# Altium PCB 控制板.PcbDoc (part 5 of 12)
Units mil, origin at the board's own origin, x right, y up, seen from the top; angles counter-clockwise.
Board outline 8150.4 x 2246.9 mil, 6 copper layers (TopLayer, MidLayer1, MidLayer2, MidLayer3, MidLayer4, BottomLayer); 1570 components, 853 nets, 4888 pads, 1859 vias.
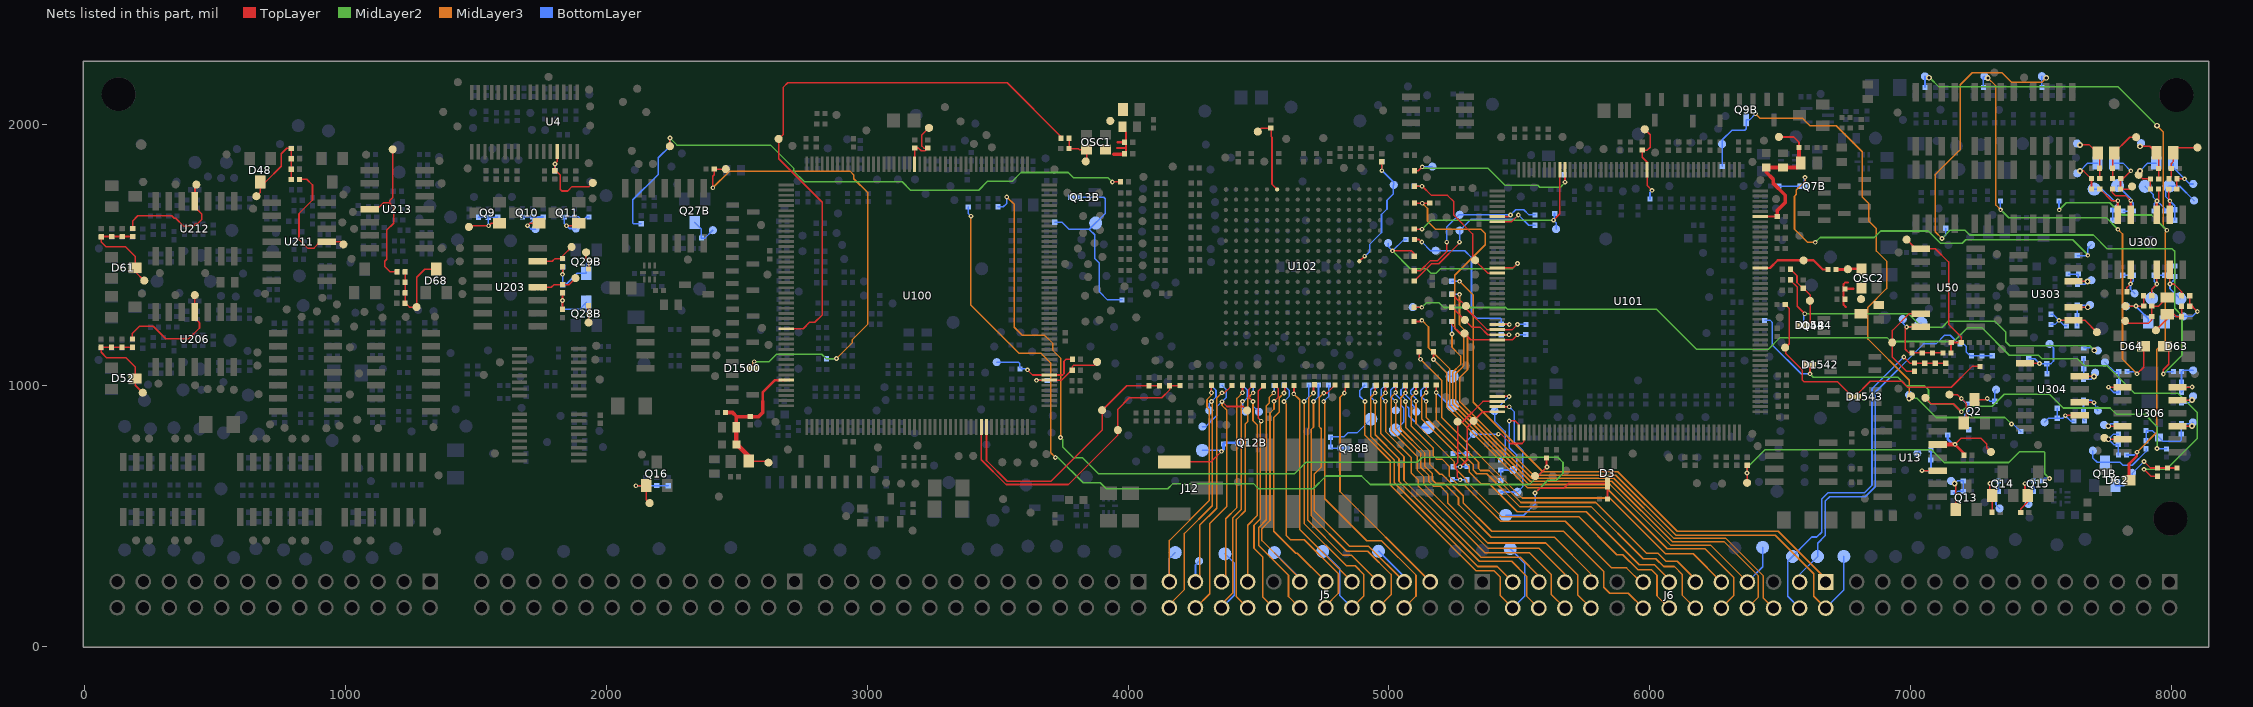
[diagram p9: the nets of this part, all layers, seen from the top]

## Via types
v1: diameter 18, hole 8, TopLayer to BottomLayer, tented both sides, 1737 vias
v2: diameter 20, hole 12, TopLayer to BottomLayer, tented both sides, 71 vias
v3: diameter 22, hole 12, TopLayer to BottomLayer, tented both sides, 51 vias

## Nets (pads, with @x,y where several pads share a name; then routed paths per layer and width w, separated by ;. In a path a pad name is that pad's centre, name@x,y a point inside that pad or via, vN(x,y) a via of type N, cw(c..) or ccw(c..) an arc to the next point about the centre after c; other vN are vias at no path point) (continued)
NetJ5_5: J5.5 R92.1 | length 907.7
  TopLayer w6: v1(4829.2,971.5) 4833,975.3 4833,993.8 R92.1@4839.9,1000.7
  MidLayer3 w6: v1(4829.2,971.5) 4812.8,955.1 4812.8,593.3 J5.5@5158.6,247.5
NetJ5_7: J5.7 R93.1 TP9.1 | length 1145.2
  TopLayer w6: v1(4750.7,971.5) 4762.8,971.5 R93.1@4793.6,1002.3
  MidLayer3 w6: v1(4750.7,971.5) 4732.4,953.2 4732.4,842.9 4741.3,834 4741.3,687.3 4714.4,660.4 4714.4,519.3 4849.5,384.2 4921.9,384.2 J5.7@5058.6,247.5
  BottomLayer w6: TP9.1@4960.3,364.6 4960.9,364.6 5058.6,266.9 J5.7@5058.6,247.5
NetJ5_8: J5.8 R445.1 | length 1061.2
  MidLayer3 w6: v1(4749.9,938.8) 4754,934.7 4754,566.1 4914.8,405.3 4972.1,405.3 5104,273.4 5104,192.9 J5.8@5058.6,147.5
  BottomLayer w6: v1(4749.9,938.8) 4769,957.9 R445.1@4769,1001.7
NetJ5_9: J5.9 R95.1 | length 897.3
  TopLayer w6: v1(4711.1,971.5) 4711.1,998.8 R95.1@4715.3,1003
  MidLayer3 w6: v1(4711.1,971.5) 4693.6,954 4693.6,837.9 4689,833.3 4689,484.3 4824.5,348.8 4857.3,348.8 J5.9@4958.6,247.5
NetJ5_10: J5.10 R446.1 | length 1061.9
  MidLayer3 w6: v1(4711.1,938.8) 4711.1,840.4 4701.9,831.2 4701.9,501.3 4838.6,364.6 4919.5,364.6 5008.6,275.5 5008.6,197.5 J5.10@4958.6,147.5
  BottomLayer w6: v1(4711.1,938.8) 4730.3,958 R446.1@4730.3,1002.5
NetJ5_11: J5.11 R97.1 | length 845.7
  TopLayer w6: v1(4635.5,968) 4636.3,968.8 R97.1@4636.3,1000.5
  MidLayer3 w6: v1(4635.5,968) 4658.2,945.3 4658.2,447.9 J5.11@4858.6,247.5
NetJ5_12: J5.12 R447.1 TP13.1 | length 1258.9
  MidLayer3 w6: v1(4674.9,938.8) 4674.9,471.2 4837.3,308.8 4870.7,308.8 4904,275.5 4904,192.9 J5.12@4858.6,147.5
  BottomLayer w6: v1(4674.9,938.8) 4693.6,957.5 R447.1@4693.6,1002.5 ; TP13.1@4746.1,363.8 4812.4,297.5 4812.4,194.5 4858.6,148.3 J5.12@4858.6,147.5
NetJ5_13: J5.13 R98.1 | length 856.8
  TopLayer w6: v1(4598,971.7) 4600.3,974 R98.1@4600.3,1000.9
  MidLayer3 w6: v1(4598,971.7) 4579.9,953.6 4579.9,898.5 4559,877.6 4559,440.9 4642.8,357.1 4649,357.1 J5.13@4758.6,247.5
NetJ5_14: J5.14 R448.1 | length 1006.7
  MidLayer3 w6: v1(4598,939) 4606.1,930.9 4606.1,425.9 4622.8,409.2 4675.7,409.2 4806.9,278 4806.9,204.2 4758.6,155.9 J5.14@4758.6,147.5
  BottomLayer w6: v1(4598,939) 4617.4,958.4 4617.4,982.1 R448.1@4598.6,1000.9
NetJ5_15: J5.15 R99.1 TP10.1 | length 996.7
  TopLayer w6: v1(4559.6,939.4) 4576.5,956.3 4576.5,988 R99.1@4564.2,1000.3
  MidLayer3 w6: v1(4559.6,939.4) 4559.6,910 4544.4,894.8 4544.4,482.1 4513.4,451.1 4513.4,405.7 4658.6,260.5 J5.15@4658.6,247.5
  BottomLayer w6: TP10.1@4561.1,359.6 4658.6,262.1 J5.15@4658.6,247.5
NetJ5_16: J5.16 R449.1 | length 941.4
  MidLayer3 w6: v1(4558.8,972.1) 4540.7,954 4540.7,932.1 4530.3,921.7 4530.3,485.5 4501.9,457.1 4501.9,385.9 4615.3,272.5 4615.3,190.8 J5.16@4658.6,147.5
  BottomLayer w6: v1(4558.8,972.1) 4559.9,973.2 R449.1@4559.9,1000
NetJ5_18: J5.18 R100.1 | length 907.4
  TopLayer w6: v1(4510.9,863.6) 4500.1,874.4 4500.1,980.5 R100.1@4519.2,999.6
  MidLayer3 w6: v1(4510.9,863.6) 4507.4,860.1 4507.4,488.6 4483,464.2 4483,376.5 4515.7,343.8 4515.7,190.4 J5.18@4558.6,147.5
NetJ5_19: J5.19 pad.246@4501.7,899.4 R101.1 | length 837
  TopLayer w6: R101.1@4479,1000.7 4462.8,984.5 4462.8,955.2 v1(4479.2,938.8)
  MidLayer3 w6: J5.19@4458.6,247.5 4458.6,464.6 4494.9,500.9 4494.9,849.6 4479.2,865.3 v1(4479.2,938.8)
  BottomLayer w6: v1(4479.2,938.8) 4479.2,921.9 pad.246@4501.7,899.4
NetJ5_20: J5.20 R459.2 | length 896.9
  MidLayer3 w6: J5.20@4458.6,147.5 4415.7,190.4 4415.7,486.3 4449.4,520 4449.4,852.5 4459,862.1 4459,951.3 v1(4479.6,971.9)
  BottomLayer w6: R459.2@4479.4,1000.1 4479.4,972.1 v1(4479.6,971.9)
NetJ5_21: J5.21 R102.1 | length 786.6
  TopLayer w6: R102.1@4438.8,1000.7 4438.8,972.5 v1(4439,972.3)
  MidLayer3 w6: J5.21@4358.6,247.5 4374.4,263.3 4374.4,489.1 4417.4,532.1 4417.4,950.7 v1(4439,972.3)
NetJ5_22: J5.22 pad.245@4451.9,900 R460.2 TP7.1 | length 1188.2
  MidLayer3 w6: J5.22@4358.6,147.5 4358.6,161.3 4401.5,204.2 4401.5,492.5 4434.9,525.9 4434.9,935.3 v1(4438.8,939.2)
  BottomLayer w6: J5.22@4358.6,147.5 4406.9,195.8 4406.9,319.6 4371.9,354.6 TP7.1@4371.1,354.6 ; R460.2@4439.4,1000.5 4457.8,982.1 4457.8,954.2 4439.4,935.8 4439.4,912.5 pad.245@4451.9,900
NetJ5_23: J5.23 pad.304@4272.4,326.7 R103.1 | length 901.6
  TopLayer w6: v1(4360.1,972.1) 4370,972.1 R103.1@4398.4,1000.5
  MidLayer3 w6: J5.23@4258.6,247.5 4275.3,264.2 4275.3,465.1 4339.9,529.7 4339.9,951.9 v1(4360.1,972.1)
  BottomLayer w6: J5.23@4258.6,247.5 4258.6,312.1 4272.4,325.9 pad.304@4272.4,326.7
NetJ5_24: J5.24 pad.187@4456.5,904.6 pad.243@4285.1,842.5 R462.2 | length 1169.4
  TopLayer w6: v1(4360.3,938.4) 4379.1,919.6 4441.5,919.6 pad.187@4456.5,904.6
  MidLayer3 w6: J5.24@4258.6,147.5 4313,201.9 4313,470.7 4379.2,536.9 4379.2,904.9 4360.3,923.8 v1(4360.3,938.4)
  BottomLayer w6: pad.243@4285.1,842.5 4297.7,842.5 4339.4,884.2 4339.4,917.5 4377.4,955.5 4377.4,983.8 R462.2@4360.7,1000.5
NetJ5_25: J5.25 R105.1 TP5.1 | length 948.3
  TopLayer w6: v1(4319.9,972.3) R105.1@4319.9,1000.7
  MidLayer3 w6: J5.25@4158.6,247.5 4158.6,406.3 4311.1,558.8 4311.1,908.4 4302.8,916.7 4302.8,946.3 4319.9,963.4 v1(4319.9,972.3)
  BottomLayer w6: J5.25@4158.6,247.5 4158.6,337.1 TP5.1@4181.1,359.6
NetJ5_26: J5.26 pad.241@4311.5,904.6 R463.2 | length 975
  MidLayer3 w6: J5.26@4158.6,147.5 4158.6,160.8 4216.1,218.3 4216.1,432.7 4322.8,539.4 4322.8,936.5 v1(4320.3,939)
  BottomLayer w6: pad.241@4311.5,904.6 4311.5,930.2 4337.4,956.1 4337.4,981.7 R463.2@4318.6,1000.5
NetJ6_1: J6.1 R433.2 | length 2159.8
  MidLayer3 w6: v1(5271.1,1399.6) 5323.6,1347.1 5323.6,936.3 5590.3,669.6 5877.8,669.6 6106.1,441.3 6492.7,441.3 6674.9,259.1 J6.1@6674.9,246.7
  BottomLayer w6: R433.2@5240.6,1399.6 v1(5271.1,1399.6)
NetJ6_2: J6.2 R432.2 TP40.1 | length 2473.7
  MidLayer3 w6: v1(5270.9,1349.6) 5270.9,1232.3 5301.5,1201.7 5301.5,1060.8 5272.6,1031.9 5272.6,937.9 5554.2,656.3 5870.3,656.3 6100.7,425.9 6481.5,425.9 6629.4,278 6629.4,192.2 J6.2@6674.9,146.7
  BottomLayer w6: R432.2@5241.1,1350 5270.5,1350 v1(5270.9,1349.6) ; J6.2@6674.9,146.7 6744.4,216.2 TP40.1@6744.4,345
NetJ6_3: C144.1 J6.3 R309.1 R310.1 R311.1 TP1120.1 | length 1511
  BottomLayer w6: J6.3@6574.9,246.7 6574.9,275.1 6644,344.2 6644,395.5 6673.6,425.1 6673.6,557.1 6690.3,573.8 6826.1,573.8 6864.4,612.1 6864.4,974.2 7049.8,1159.6 7097.4,1159.6 7130.3,1192.5 7152.4,1192.5 7186.1,1158.8 7204.5,1158.8 7214,1149.3 7214,1128.4 7228.6,1113.8 R309.1@7313.2,1113.8
NetJ6_4: C9.2 J6.4 R41.1 R42.1 R43.1 TP1121.1 | length 1429.9
  TopLayer w6: v1(6974.4,1109.6) 6998.5,1085.5 R41.1@7134.9,1085.5
  BottomLayer w6: J6.4@6574.9,146.7 6529,192.6 6529,326.3 6621.9,419.2 6640.7,419.2 6659.4,437.9 6659.4,564.6 6684.4,589.6 6824.4,589.6 6852.4,617.6 6852.4,987.6 v1(6974.4,1109.6)
NetJ6_6: J6.6 R64.2 R67.1 | length 2694.7
  TopLayer w6: R67.1@5097.8,1699.6 R64.2@5156.4,1699.6
  MidLayer3 w6: v1(5128,1699) 5148.2,1678.8 5148.2,1630 5178.6,1599.6 5353.3,1599.6 5369.9,1583 5369.9,1540 5252.4,1422.5 5252.4,1219.1 5287.8,1183.7 5287.8,1075.9 5256.9,1045 5256.9,936.1 5548,645 5862.4,645 6093.6,413.8 6292.4,413.8 6434.9,271.3 6434.9,186.7 J6.6@6474.9,146.7
NetJ6_7: J6.7 R75.2 TP31.1 | length 1981.3
  TopLayer w6: R75.2@5096.9,1245.5 5122.2,1245.5 v1(5126.7,1250)
  MidLayer3 w6: v1(5126.7,1250) 5151.9,1224.8 5151.9,1145.1 5234,1063 5234,922.8 5536.3,620.5 5848.2,620.5 6080.3,388.4 6233.2,388.4 J6.7@6374.9,246.7
  BottomLayer w6: J6.7@6374.9,246.7 6433.2,305 TP31.1@6433.2,379.6
NetJ6_8: J6.8 R431.2 | length 1926.3
  MidLayer3 w6: v1(5242.1,1197.8) 5242.1,1146.4 5275.1,1113.4 5275.1,1080.7 5245.3,1050.9 5245.3,929.8 5542.1,633 5854.8,633 6086.1,401.7 6285.3,401.7 6415.7,271.3 6415.7,187.5 J6.8@6374.9,146.7
  BottomLayer w6: R431.2@5241.1,1245 5241.1,1198.8 v1(5242.1,1197.8)
NetJ6_9: J6.9 R81.2 | length 1621.6
  TopLayer w6: R81.2@5115.9,1129.3 5115.9,1105.9 v1(5121.1,1100.7)
  MidLayer3 w6: v1(5121.1,1100.7) 5202.4,1019.4 5202.4,877.1 5510.7,568.8 5846.9,568.8 6060.7,355 6166.6,355 J6.9@6274.9,246.7
NetJ6_10: J6.10 R80.2 TP41.1 | length 1839.9
  TopLayer w6: v1(5171.1,1099.8) R80.2@5171.1,1129.9
  MidLayer3 w6: v1(5171.1,1099.8) 5221.5,1049.4 5221.5,918.4 5531.9,608 5833.6,608 6067.4,374.2 6212.4,374.2 6322.8,263.8 6322.8,194.6 J6.10@6274.9,146.7
  BottomLayer w6: v1(5171.1,1099.8) 5235.9,1035 TP41.1@5242.4,1035
NetJ6_11: J6.11 R83.1 TP34.1 | length 1487.5
  TopLayer w6: v1(5181.7,973.2) R83.1@5181.7,1001.7
  MidLayer3 w6: v1(5181.7,973.2) 5181.7,868.2 5343.6,706.3 5343.6,682.1 5351.5,674.2 5384,674.2 5506.7,551.5 5793,551.5 5987.4,357.1 6032.1,357.1 6062.5,326.7 6105.5,326.7 6174.9,257.3 J6.11@6174.9,246.7
  BottomLayer w6: v1(5181.7,973.2) 5230.7,924.2 TP34.1@5244.4,924.2
NetJ6_12: J6.12 R435.1 | length 1532.8
  MidLayer3 w6: v1(5143.2,939.4) 5143.2,877.1 5324.4,695.9 5324.4,675.1 5337.4,662.1 5374.9,662.1 5502.4,534.6 5776.6,534.6 5974.9,336.3 6023.6,336.3 6053.6,306.3 6094.8,306.3 6124.4,276.7 6124.4,197.2 J6.12@6174.9,146.7
  BottomLayer w6: R435.1@5141.9,1000.9 5123.2,982.2 5123.2,959.4 v1(5143.2,939.4)
NetJ6_13: J6.13 R84.1 | length 1361.8
  TopLayer w6: R84.1@5143,1001.7 5143.2,1001.5 v1(5143.2,973)
  MidLayer3 w6: v1(5143.2,973) 5126.9,956.7 5126.9,870.9 5308.6,689.2 5308.6,668.6 5353.6,623.6 5384.7,623.6 5492,516.3 5756.5,516.3 5959.8,313 6018.1,313 6074.9,256.2 J6.13@6074.9,246.7
NetJ6_14: J6.14 R436.1 | length 1491
  MidLayer3 w6: v1(5104.2,939.6) 5104.2,854 5251.5,706.7 5251.5,685.1 5297.8,638.8 5297.8,631.7 5432,497.5 5727.8,497.5 5873.6,351.7 5897,351.7 5954.9,293.8 6007.4,293.8 6028.2,273 6028.2,193.4 J6.14@6074.9,146.7
  BottomLayer w6: R436.1@5104,1000.9 5083.6,980.5 5083.6,969.5 5104.2,948.9 v1(5104.2,939.6)
NetJ6_15: J6.15 R85.1 | length 1340.3
  TopLayer w6: v1(5104,973) 5104,1001.3 R85.1@5104.2,1001.5
  MidLayer3 w6: v1(5104,973) 5086.1,955.1 5086.1,844.6 5169.4,761.3 5169.4,731.4 5182.8,718 5203.5,718 5232.4,689.1 5232.4,651.7 5265.7,618.4 5289,618.4 5428,479.4 5675.9,479.4 5854.4,300.9 5911.5,300.9 5965.7,246.7 J6.15@5974.9,246.7
NetJ6_16: J6.16 R437.1 TP43.1 | length 1604.3
  MidLayer3 w6: v1(5064.2,938.8) 5064.2,840.3 5157.4,747.1 5157.4,697.7 5195.5,659.6 5203.8,659.6 5285.5,577.9 5285.5,550 5394.2,441.3 5669.5,441.3 5824,286.8 5824,226.7 5846.9,203.8 5917.8,203.8 J6.16@5974.9,146.7
  BottomLayer w6: R437.1@5063.2,999.6 5046.7,983.1 5046.7,963.8 5064.2,946.3 5064.2,925.1 5076.1,913.2 5076.1,884.1 5121,839.2 TP43.1@5150.3,839.2
NetJ6_19: J6.19 pad.249@5105.3,899.2 R86.1 | length 1314.3
  TopLayer w6: R86.1@5063.8,1000.9 5064,1000.7 v1(5064,972.1)
  MidLayer3 w6: v1(5064,972.1) 5045.5,953.6 5045.5,834.4 5138.2,741.7 5138.2,690.7 5166.5,662.4 5166.5,638.6 5179.4,625.7 5211.1,625.7 5267.1,569.7 5267.1,543.9 5393,418 5634.8,418 5774.9,277.9 J6.19@5774.9,246.7
  BottomLayer w6: v1(5064,972.1) 5064,964.2 5087.8,940.4 5087.8,928 5105.3,910.5 pad.249@5105.3,899.2
NetJ6_20: J6.20 pad.248@5026.5,905 R438.1 | length 1360
  MidLayer3 w6: v1(5026.1,939.6) 5026.1,835.4 5122.4,739.1 5122.4,686.3 5153.6,655.1 5153.6,631.3 5171.5,613.4 5197.7,613.4 5226.5,584.6 5226.5,548.8 5379,396.3 5601.5,396.3 5723.6,274.2 5723.6,198 J6.20@5774.9,146.7
  BottomLayer w6: R438.1@5025.7,1000.9 5007.6,982.8 5007.6,957.3 5026.5,938.4 pad.248@5026.5,905
NetJ6_21: J6.21 R87.1 TP39.1 | length 1322.6
  TopLayer w6: R87.1@5025.7,1001.7 5026.1,1001.3 v1(5026.1,973)
  MidLayer3 w6: v1(5026.1,973) 5008.6,955.5 5008.6,828.4 5108.2,728.8 5108.2,675.9 5134.4,649.7 5134.4,620.9 5378.6,376.7 5574.8,376.7 5674.9,276.6 J6.21@5674.9,246.7
  BottomLayer w6: TP39.1@5025.7,829.4 5056.9,860.6 5056.9,914.2 5046.3,924.8 5046.3,945.3 5026.1,965.5 v1(5026.1,973)
NetJ6_22: J6.22 R439.1 | length 1253.7
  MidLayer3 w6: v1(4987.4,939.8) 4987.4,823.4 5085.3,725.5 5085.3,665.4 5112.8,637.9 5112.8,614.6 5368.2,359.2 5539.5,359.2 5622.8,275.9 5622.8,198.8 J6.22@5674.9,146.7
  BottomLayer w6: R439.1@4986.9,1001.3 4970.3,984.7 4970.3,956.9 v1(4987.4,939.8)
NetJ6_23: J6.23 R88.1 | length 1103.2
  TopLayer w6: v1(4987.1,972.5) 4987.1,999.3 R88.1@4989.9,1002.1
  MidLayer3 w6: v1(4987.1,972.5) 4969,954.4 4969,816.3 5058.2,727.1 5058.2,636.1 5353,341.3 5503.6,341.3 5574.9,270 J6.23@5574.9,246.7
NetJ6_24: J6.24 R440.1 | length 1199.7
  MidLayer3 w6: v1(4947.4,938.4) 4947.4,811.3 5039,719.7 5039,633.4 5346.5,325.9 5471.5,325.9 5528.2,269.2 5528.2,193.4 J6.24@5574.9,146.7
  BottomLayer w6: R440.1@4946.9,999.6 4930.7,983.4 4930.7,955.1 v1(4947.4,938.4)
NetJ6_25: J6.25 R89.1 | length 1032
  TopLayer w6: v1(4947.4,972.1) 4947.4,996.2 R89.1@4951.9,1000.7
  MidLayer3 w6: v1(4947.4,972.1) 4930.3,955 4930.3,804.6 5020.3,714.6 5020.3,627.1 5341.1,306.3 5415.3,306.3 J6.25@5474.9,246.7
NetJ6_26: J6.26 R441.1 TP42.1 | length 1416
  MidLayer3 w6: v1(4908.2,938.8) 4908.2,809.2 5005.5,711.9 5005.5,618.2 5333.9,289.8 5403,289.8 5427.8,265 5427.8,193.8 J6.26@5474.9,146.7
  BottomLayer w6: R441.1@4907.8,1000.9 4888.2,981.3 4888.2,958.8 v1(4908.2,938.8) ; TP42.1@5465.3,374.6 5521.1,318.8 5521.1,193 5474.9,146.8 J6.26@5474.9,146.7
NetJ12_3: J12.3 Q12B.3 R458.2 TP53.1 | length 374.4
  TopLayer w6: J12.3@4176.9,707.6 4318.3,707.6 v1(4358.2,747.5)
  BottomLayer w6: TP53.1@4284.9,751.7 4354,751.7 v1(4358.2,747.5)
  BottomLayer w10: v1@4357.8,747.9 4366.1,756.2 R458.2@4366.1,776.3 4369.85,780.05 Q12B.3@4434.2,780.05
NetLB1_1: C40.1 C41.2 C42.2 LB1.1 OSC1.4 pad.0@3931.9,2014.6 | length 187.6
  TopLayer w6: 3956.3,1910.7 3992.8,1910.7
  TopLayer w8: C42.2@3985.1,1886.9 3992.8,1894.6 3992.8,1969.6
  TopLayer w10: 3961.6,1933 C41.2@3986.6,1933
  TopLayer w14: 3944.9,1886.9 C42.2@3985.1,1886.9
NetLB2_2: C51.2 C52.1 C53.2 C54.2 LB2.2 pad.91@2621.5,704.2 U100.39 | length 610.8
  TopLayer w6: LB2.2@2545.7,709.8 2615.9,709.8 pad.91@2621.5,704.2
  TopLayer w10: 2599,939 2599,972.5 2647.27,1020.77 U100.39@2689,1020.77
  TopLayer w14: C52.1@2457.1,896.9 2483.8,896.9 2499.9,880.8 ; C53.2@2497.8,839.6 2497.8,878.7 2499.9,880.8 ; 2599,939 2599,896.7 2583.1,880.8 2499.9,880.8
  TopLayer w18: C53.2@2497.8,839.6 2497.8,776.7 2545.7,728.8 LB2.2@2545.7,709.8
NetLB4_1: C16.2 C17.1 C18.1 C20.1 LB4.1 pad.277@6495.3,1953 U101.39 | length 601.5
  TopLayer w6: pad.277@6495.3,1953 6552.3,1953 6572.6,1932.7 C16.2@6572.6,1913
  TopLayer w8: U101.39@6424,1647.63 6489.03,1647.63 C20.1@6489.4,1648
  TopLayer w14: C20.1@6489.4,1648 6489.4,1671 6520.3,1701.9 6520.3,1729.4 6473.2,1776.5 6473.2,1791.5 6446.9,1817.8 C18.1@6446.9,1835.9 6447.1,1835.7 6566.3,1835.7 6572.6,1842 C16.2@6572.6,1913
NetLB6_2: C23.2 C24.2 C25.2 LB6.2 OSC2.4 pad.1@6810.3,1331.3 | length 143.1
  TopLayer w8: 6752.8,1300.5 6743.6,1309.7 6743.6,1388.7 6750.4,1395.5 6760.6,1395.5
  TopLayer w10: C23.2@6749.4,1370.5 6780.7,1370.5
NetNC11_2: D3.3 NC11.2 R59.2 TP26.1 | length 3863.2
  TopLayer w6: v1(5560.5,588.2) 5578.6,606.3 5670.5,606.3 5689.7,625.5 5837.85,625.5 5838.3,625.05 R59.2@5838.3,565
  MidLayer2 w6: v1(3741.3,801.1) 3749.9,792.5 3749.9,764.1 3791,723 3825.6,723 3886.9,661.7 4638.6,661.7 4682.8,705.9 5109.1,705.9 5128.2,725 5647.8,725 5667.8,705 5667.8,663.4 5641.5,637.1 5609.4,637.1 v1(5560.5,588.2)
  MidLayer3 w6: v1(3535.1,1723.2) 3563.6,1694.7 3563.6,1223.8 3594.4,1193 3679.8,1193 3711.9,1160.9 3711.9,1134.8 3741.3,1105.4 v1(3741.3,801.1)
  BottomLayer w6: NC11.2@3501.5,1685.1 3522,1685.1 3535.1,1698.2 v1(3535.1,1723.2) ; TP26.1@5448.2,502.5 5517.3,502.5 5560.5,545.7 v1(5560.5,588.2)
NetNC18_1: NC18.1 NC25.2 pad.264@5324.9,814.6 U101.134 | length 383.8
  TopLayer w6: v1(5419.9,813.8) 5430.3,813.8 5466.3,777.8 5510.6,777.8 5517.83,785.03 U101.134@5517.83,819.9
  BottomLayer w6: NC18.1@5246.1,739.6 5298.7,739.6 5298.2,740.1 5298.2,787.1 5324.9,813.8 v1(5419.9,813.8)
NetNC19_1: NC19.1 NC24.2 pad.242@5325.3,864.6 U101.132 | length 355.6
  TopLayer w6: v1(5273.4,688.6) 5300.5,715.7 5300.5,839.8 5360.3,899.6 U101.132@5415.2,899.6
  BottomLayer w6: NC19.1@5245.7,688.8 5298.3,688.8 NC24.2@5299.1,689.6
NetNC20_1: NC20.1 NC23.2 pad.241@5263.6,861.3 U101.130 | length 471.9
  TopLayer w6: v1(5273.2,638.6) 5262.6,649.2 5262.6,675.6 5256.3,681.9 5256.3,697 5264,704.7 5264,860.9 pad.241@5263.6,861.3 5283.2,861.3 5360.87,938.97 U101.130@5415.2,938.97
  BottomLayer w6: NC20.1@5244.4,639.6 5298.3,639.6 NC23.2@5299.1,638.8
NetNC27_1: NC27.1 pad.251@5405.3,901.7 U101.129 | length 336.6
  TopLayer w6: U101.129@5415.2,958.66 5460.64,958.66 v1(5461.1,958.2)
  BottomLayer w6: NC27.1@5427.8,715 5445.7,732.9 5445.7,823.8 5405.3,864.2 5405.3,902.4 v1(5461.1,958.2)
NetNC29_1: NC28.1 NC29.1 pad.263@5476.5,676.1 U101.133 | length 366.1
  TopLayer w6: v1(5461.7,864.2) 5484.7,864.2 5498.15,850.75 U101.133@5498.15,819.9
  BottomLayer w6: NC29.1@5429.4,635.9 5429.4,675.5 5430,676.1 5478.2,676.1 5489.9,687.8 5489.9,733.7 5461.9,761.7 5461.9,864 v1(5461.7,864.2)
NetNC30_1: NC30.1 pad.265@5493,592.8 U101.131 | length 468.4
  TopLayer w6: U101.131@5415.2,919.29 5461.21,919.29 v1(5461.7,918.8)
  BottomLayer w6: NC30.1@5428.6,591.7 5492.8,591.7 5514,612.9 5514,751.3 5480.3,785 5480.3,900.2 v1(5461.7,918.8)
NetNC43_1: NC43.1 NC61.1 pad.288@7308.6,745.5 U13.5 | length 350.9
  TopLayer w6: v1(7170.3,774.6) 7192.8,797.1 7271.6,797.1 7292.4,776.3 7292.4,761.7 pad.288@7308.6,745.5
  TopLayer w10: v1(7170.3,774.6) 7170.3,773.4 7204.9,738.8 NC61.1@7204.9,732.5
  TopLayer w14: U13.5@7104.4,773.93 7169.63,773.93 v1(7170.3,774.6)
  BottomLayer w10: NC43.1@7142.8,810 7142.8,795.3 7163.5,774.6 v1(7170.3,774.6)
NetNC44_2: NC44.2 NC45.2 NC46.2 pad.376 U13.3 | length 232.4
  TopLayer w6: v1(7044.4,673.8) 7044.67,674.07 U13.3@7104.4,674.07
  BottomLayer w6: pad.376@7026.1,739.6 7040.3,753.8 NC44.2@7078.2,753.8 7078.7,753.3 NC46.2@7078.7,674.2 7078.3,673.8 v1(7044.4,673.8)
NetOSC1_3: OSC1.3 pad.145@3837.8,1859.2 R158.2 R159.2 | length 155.6
  TopLayer w6: R158.2@3774,1948.4 3774,1909.2 3775.2,1908 3809.4,1908 3812.8,1904.6 OSC1.3@3840.8,1904.6 3842.1,1903.3 3842.1,1863.5 pad.145@3837.8,1859.2
NetOSC2_3: OSC2.3 pad.271@6759.9,1445.9 R22.2 | length 98.5
  TopLayer w10: R22.2@6714.8,1445 6759,1445 6761.4,1447.4 OSC2.3@6812.3,1447.4
NetQ1B_1: C68.1 pad.348 Q1B.1 R19.1 R20.1 | length 294.1
  TopLayer w6: v1(7895.3,708.8) 7920.3,683.8 C68.1@8021.5,683.8
  BottomLayer w6: Q1B.1@7786.1,616.3 7819.9,616.3 7849.4,645.8 7849.4,662.9 v1(7895.3,708.8)
NetQ2_1: C142.1 pad.287@7149.4,965 Q2.1 R302.2 R303.2 | length 306.6
  TopLayer w6: pad.287@7149.4,965 7180.4,965 7214.4,931 7214.4,865.8 Q2.1@7204.9,856.3
  BottomLayer w6: v1(7194.9,950) 7215.3,929.6 R303.2@7223.2,929.6 7223.2,903.4 7207.8,888 7207.8,846.2 R302.2@7223.6,830.4
NetQ2_3: pad.353 Q2.3 R301.1 | length 130.5
  TopLayer w6: Q2.3@7245.3,946.3 7290.7,946.3 v1(7294.4,950)
  BottomLayer w6: v1(7294.4,950) 7304.4,940 7323.6,940 7323.6,980 pad.353@7328.2,984.6
NetQ9_1: C388.2 pad.75@1472.8,1608 Q9.1 R625.1 R626.1 | length 231.5
  TopLayer w6: pad.75@1472.8,1608 1477.6,1612.8 1548.9,1612.8 1558.6,1622.5 Q9.1@1590.7,1622.5
  BottomLayer w6: R626.1@1509.4,1645.5 1582.4,1645.5 C388.2@1583.2,1646.3 ; R625.1@1547.4,1645.5 1547.4,1613.7 v1(1548.6,1612.5)
NetQ10_1: C387.2 pad.28@1728.2,1600 Q10.1 R622.1 R623.1 | length 206.4
  TopLayer w6: v1(1697.8,1613) 1707.3,1622.5 Q10.1@1742.4,1622.5
  BottomLayer w6: R623.1@1678.6,1646.3 R622.1@1758.2,1646.3 ; C387.2@1717.8,1647.2 1717.8,1633 v1(1697.8,1613) 1710.8,1600 pad.28@1728.2,1600
NetQ11_1: C382.1 pad.27@1882.8,1602.1 Q11.1 R619.1 R620.1 | length 232.4
  TopLayer w6: v1(1846.9,1612.5) 1884.8,1612.5 Q11.1@1894,1621.7
  BottomLayer w6: pad.27@1882.8,1602.1 1857.4,1602.1 1838.2,1621.3 R620.1@1838.2,1646.7 1893.2,1646.7 1903.2,1636.7 1913.2,1636.7 1922.8,1646.3 C382.1@1933.6,1646.3
NetQ13_1: C140.1 pad.378 Q13.1 R298.2 R299.2 | length 219
  TopLayer w6: v3(7169.4,624.2) 7173.2,620.4 Q13.1@7173.2,524.6
  BottomLayer w6: C140.1@7163.6,589.6 7176.1,589.6 7180.7,594.2 R298.2@7202.4,594.2 R299.2@7202.4,634.2 7179.4,634.2 v3(7169.4,624.2)
NetQ13B_3: NC10.1 Q13B.3 R468.2 TP25.1 | length 761.6
  BottomLayer w6: NC10.1@3719.4,1625.9 3747.3,1625.9 3774.6,1598.6 3851.5,1598.6 ; Q13B.3@3794.2,1721.65 3906.65,1721.65 3912.4,1715.9 3912.4,1659.7 3851.5,1598.8 3851.5,1598.6 ; R468.2@3977.4,1328.4 3921.5,1328.4 3889.6,1360.3 3889.6,1469.9 3872.1,1487.4 3872.1,1578 3851.5,1598.6
NetQ14_1: C7.2 pad.382 Q14.1 R294.2 R295.2 | length 265
  TopLayer w6: v1(7304.4,624.2) 7304.4,596.7 7312.8,588.3 C7.2@7312.8,514.2
  BottomLayer w6: v1(7304.4,624.2) 7314,633.8 R295.2@7337.4,633.8 7337.4,594.6 7327.8,585 7327.8,542.9 pad.382@7341.7,529
NetQ15_1: C6.2 pad.381 Q15.1 R266.1 R267.1 | length 262.8
  TopLayer w6: C6.2@7422.4,513.4 7422.4,526.8 7453.6,558 7453.6,578 7439,592.6 v1(7439,623.8)
  BottomLayer w6: v1(7439,623.8) 7449,633.8 R267.1@7471.9,633.8 7471.9,592.1 7452.4,572.6 pad.381@7452.4,545.5
NetQ16_1: C359.1 pad.102@2165.7,549.2 Q16.1 R595.1 R596.1 | length 236.1
  TopLayer w6: v1(2112.8,615.9) 2151.6,615.9 2152.8,614.7 2152.8,562.1 pad.102@2165.7,549.2
  BottomLayer w6: v1(2112.8,615.9) 2237,615.9 R595.1@2237.4,615.5
NetQ27B_3: pad.101@2408.2,1595.5 Q27B.3 R591.2 | length 126.4
  BottomLayer w6: Q27B.3@2338.6,1625 2364.4,1599.2 R591.2@2364.4,1565.5 2378.2,1565.5 pad.101@2408.2,1595.5
NetQ38B_3: NC51.2 Q38B.3 R444.1 TP54.1 | length 274.2
  BottomLayer w6: Q38B.3@4827.1,760.05 4779.45,760.05 4776.5,763 R444.1@4776.5,802.1 4777.4,803 4827.4,803 4844,819.6 4879.4,819.6 TP54.1@4931.1,871.3
NetR1_2: C1.2 pad.301@8100.3,1912.5 R1.2 R3.2 | length 214.5
  TopLayer w6: R3.2@7990.7,1792.5 7999.7,1801.5 7999.7,1850.3 8008.2,1858.8 8008.2,1904.2 8016.5,1912.5 pad.301@8100.3,1912.5
NetR2_1: C1.1 pad.292@7884.4,1929.2 R2.1 R4.1 | length 176.9
  TopLayer w6: v3(7879.9,1917.1) 7917.8,1917.1 7951.5,1883.4 R4.1@7951.5,1792.1